# Altium PCB Ascii of Main Board V1.1.PcbDoc (part 1 of 3) (continued)
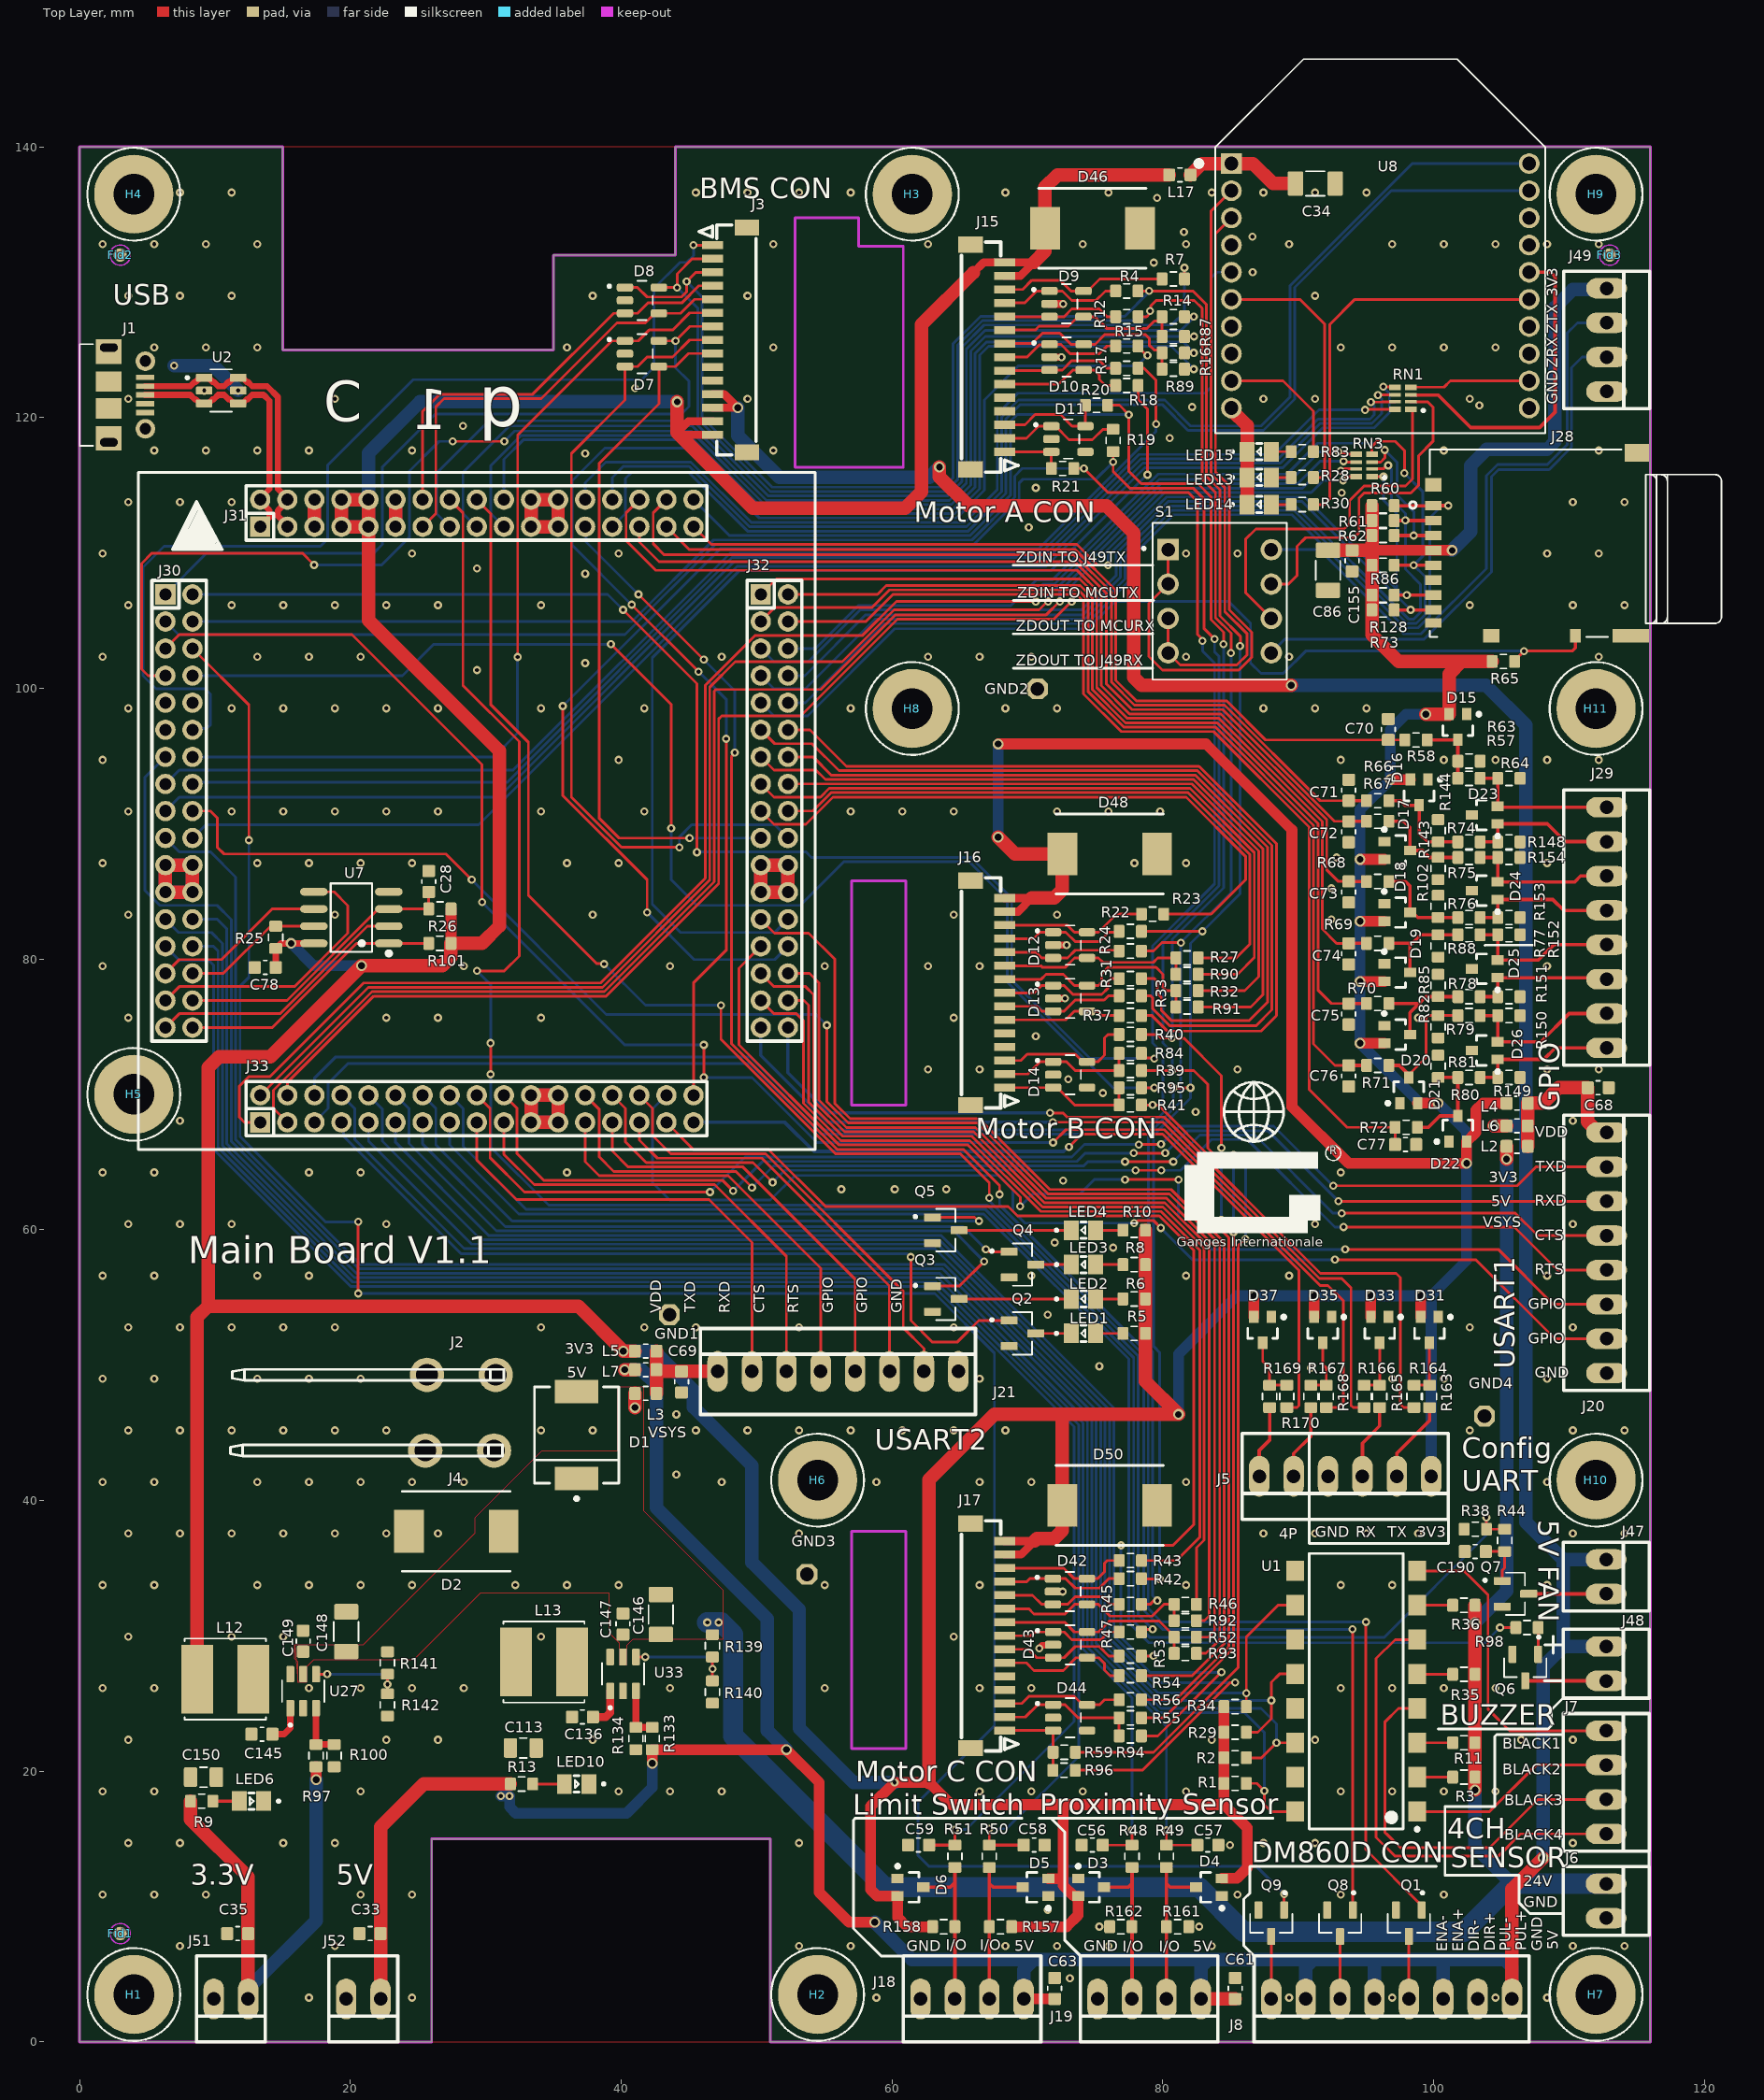
[diagram p0: Top Layer view]
## Components (designator, comment, footprint, x,y, rotation, side; value= is the part's Value field where it differs from the comment)
C28 "100nF" C_0603_1608Metric 25.784,85.725 r270 top
C33 "NC/100nF 50V" C_0603_1608Metric 21.45,8.001 r0 top
C34 "10uF" C_1206_3216Metric 91.264,137.287 r180 top
C35 "NC/100nF 50V" C_0603_1608Metric 11.671,8.001 r0 top
C56 "1nF 50V" C_0603_1608Metric 74.79,14.541 r0 top
C57 "1nF 50V" C_0603_1608Metric 83.325,14.541 r180 top
C58 "1nF 50V" C_0603_1608Metric 70.498,14.541 r180 top
C59 "1nF 50V" C_0603_1608Metric 61.963,14.541 r0 top
C61 "100nF" C_0603_1608Metric 85.344,3.95 r270 top
C63 "100nF" C_0603_1608Metric 72.009,3.95 r270 top
C68 "100nF" C_0603_1608Metric 112.154,70.485 r0 top
C69 "100nF" C_0603_1608Metric 44.455,48.755 r90 top
C70 "NC/100nF 50V" C_0603_1608Metric 96.647,96.957 r90 top
C71 "NC/100nF 50V" C_0603_1608Metric 93.726,92.467 r90 top
C72 "NC/100nF 50V" C_0603_1608Metric 93.726,89.395 r270 top
C73 "NC/100nF 50V" C_0603_1608Metric 93.726,84.95 r270 top
C74 "NC/100nF 50V" C_0603_1608Metric 93.726,80.378 r270 top
C75 "NC/100nF 50V" C_0603_1608Metric 93.726,75.933 r270 top
C76 "NC/100nF 50V" C_0603_1608Metric 93.726,71.361 r270 top
C77 "NC/100nF" C_0603_1608Metric 97.93,66.294 r0 top
C78 "100nF" C_0603_1608Metric 13.706,79.375 r0 top
C86 "10uF" C_1206_3216Metric 92.202,108.711 r90 top
C113 "22uF/6.3V" C_0805_2012Metric 32.766,21.717 r180 top
C136 "100nF" C_0603_1608Metric 37.14,24.003 r180 top
C145 "100nF" C_0603_1608Metric 13.462,22.733 r180 top
C146 "10uF" C_1206_3216Metric 42.926,31.574 r90 top
C147 "100nF" C_0603_1608Metric 40.132,30.874 r90 top
C148 "10uF" C_1206_3216Metric 19.685,30.304 r90 top
C149 "100nF" C_0603_1608Metric 16.51,29.604 r90 top
C150 "22uF/6.3V" C_0805_2012Metric 9.144,19.558 r180 top
C155 "100nF" C_0603_1608Metric 93.98,109.411 r90 top
C190 "NC" C_0603_1608Metric 103.075,36.227 r0 top
D1 "SS34B-HF" FP-95402-MFG 36.703,44.831 r90 top
D2 "SMAJ28A-13-F" DIONM7959X262N 27.813,37.719 r180 top
D3 "BAT54SW_R1_00001" ONSC-SOT-323-3-419-04_V 74.699,11.429 r0 top
D4 "BAT54SW_R1_00001" ONSC-SOT-323-3-419-04_V 83.416,11.429 r180 top
D5 "BAT54SW_R1_00001" ONSC-SOT-323-3-419-04_V 70.589,11.429 r180 top
D6 "BAT54SW_R1_00001" ONSC-SOT-323-3-419-04_V 61.364,11.429 r0 top
D7 "MSQA6V1W5T2G" SOT95P280X145-5N 41.529,124.714 r0 top
D8 "MSQA6V1W5T2G" SOT95P280X145-5N 41.529,128.651 r0 top
D9 "MSQA6V1W5T2G" SOT95P280X145-5N 72.883,128.397 r0 top
D10 "MSQA6V1W5T2G" SOT95P280X145-5N 72.898,124.46 r0 top
D11 "MSQA6V1W5T2G" SOT95P280X145-5N 73.025,118.411 r0 top
D12 "MSQA6V1W5T2G" SOT95P280X145-5N 73.152,81.026 r0 top
D13 "MSQA6V1W5T2G" SOT95P280X145-5N 73.152,77.087 r0 top
D14 "MSQA6V1W5T2G" SOT95P280X145-5N 73.152,71.45 r0 top
D15 "NC/BAT54SWT1G" ONSC-SOT-323-3-419-04_V 101.791,97.132 r270 top
D16 "NC/BAT54SWT1G" ONSC-SOT-323-3-419-04_V 98.933,92.306 r270 top
D17 "NC/BAT54SWT1G" ONSC-SOT-323-3-419-04_V 97.305,88.011 r0 top
D18 "NC/BAT54SWT1G" ONSC-SOT-323-3-419-04_V 97.305,83.439 r0 top
D19 "NC/BAT54SWT1G" ONSC-SOT-323-3-419-04_V 97.305,78.994 r0 top
D20 "NC/BAT54SWT1G" ONSC-SOT-323-3-419-04_V 97.305,74.422 r0 top
D21 "NC/BAT54SWT1G" ONSC-SOT-323-3-419-04_V 98.171,70.297 r90 top
D22 "NC/BAT54SWT1G" ONSC-SOT-323-3-419-04_V 101.791,67.46 r90 top
D23 "NC/BAT54A-7-F" ONSC-SOT-323-3-419-04_V 103.782,90.632 r180 top
D24 "NC/BAT54A-7-F" ONSC-SOT-323-3-419-04_V 103.782,85.044 r180 top
D25 "NC/BAT54A-7-F" ONSC-SOT-323-3-419-04_V 103.782,79.268 r180 top
D26 "NC/BAT54A-7-F" ONSC-SOT-323-3-419-04_V 103.782,73.233 r180 top
D31 "BAT54SW_R1_00001" ONSC-SOT-323-3-419-04_V 99.695,52.598 r270 top
D33 "BAT54SW_R1_00001" ONSC-SOT-323-3-419-04_V 96.012,52.598 r270 top
D35 "NC/BAT54SWT1G" ONSC-SOT-323-3-419-04_V 91.821,52.598 r270 top
D37 "NC/BAT54SWT1G" ONSC-SOT-323-3-419-04_V 87.376,52.598 r270 top
D42 "MSQA6V1W5T2G" SOT95P280X145-5N 73.137,33.27 r0 top
D43 "MSQA6V1W5T2G" SOT95P280X145-5N 73.152,29.333 r0 top
D44 "MSQA6V1W5T2G" SOT95P280X145-5N 73.152,23.95 r0 top
D46 "SMLJ5.0CA" DIONM7959X262N 74.803,133.985 r0 top
D48 "SMLJ5.0CA" DIONM7959X262N 76.073,87.757 r0 top
D50 "SMLJ5.0CA" DIONM7959X262N 76.073,39.624 r0 top
Fid1 "Fiducial mark" Fiducial_1mm_Mask2mm 3,8 r90 top
Fid2 "Fiducial mark" Fiducial_1mm_Mask2mm 3,132 r90 top
Fid3 "Fiducial mark" Fiducial_1mm_Mask2mm 113,132 r90 top
GND1 "Ground Mark" 1X01 43.561,53.721 r0 top
GND2 "Ground Mark" 1X01 70.739,99.949 r0 top
GND3 "Ground Mark" 1X01 53.721,34.544 r0 top
GND4 "Ground Mark" 1X01 103.759,46.228 r0 top
H1 "MountingHole" 3,0-PAD 4,3.5 r0 top
H2 "MountingHole" 3,0-PAD 54.5,3.5 r0 top
H3 "MountingHole" 3,0-PAD 61.5,136.5 r0 top
H4 "MountingHole" 3,0-PAD 4,136.5 r0 top
H5 "MountingHole" 3,0-PAD 4,70 r0 top
H6 "MountingHole" 3,0-PAD 54.5,41.5 r0 top
H7 "MountingHole" 3,0-PAD 112,3.5 r0 top
H8 "MountingHole" 3,0-PAD 61.5,98.5 r0 top
H9 "MountingHole" 3,0-PAD 112,136.5 r0 top
H10 "MountingHole" 3,0-PAD 112,41.5 r0 top
H11 "MountingHole" 3,0-PAD 112,98.5 r0 top
J1 "NC/105017-0001" MOLEX_105017-0001 2.159,121.666 r270 top
J2 "197134001" "Crimp male 90 degree 0.25(6.35mm)" 28.194,49.276 r0 top
J3 "A1001WV-S-15P" "SH1.0 1X15P SMT VERTICAL" 48.015,125.731 r90 top
J4 "197134001" "Crimp male 90 degree 0.25(6.35mm)" 28.067,43.688 r0 top
J5 "22-23-2061" 22-23-2061 93.472,41.783 r180 top
J6 "22-23-2021" 22-23-2021 112.741,10.414 r270 top
J7 "22-23-2041" 22-23-2041 112.741,19.177 r270 top
J8 "22-23-2081" 22-23-2081 96.901,3.175 r180 top
J15 "A1001WV-S-15P" "SH1.0 1X15P SMT VERTICAL" 67.065,124.461 r270 top locked
J16 "A1001WV-S-15P" "SH1.0 1X15P SMT VERTICAL" 67.065,77.5 r270 top
J17 "A1001WV-S-15P" "SH1.0 1X15P SMT VERTICAL" 67.065,30 r270 top
J18 "22-23-2041" 22-23-2041 65.913,3.175 r180 top
J19 "22-23-2041" 22-23-2041 78.994,3.175 r180 top
J20 "22-23-2081" 22-23-2081 112.776,58.293 r270 top
J21 "22-23-2081" 22-23-2081 56.007,49.53 r0 top
J28 "DM3AT-SF-PEJM5" HRS_DM3AT-SF-PEJM5 99.967,113.486 r90 top
J29 "NC/22-23-2081" 22-23-2081 112.776,82.319 r270 top
J30 "NPPN172AFCN-RC" HDR-TH_34P-P2.00-V-M-R2-C17-S2.00 7.337,90.932 r270 top
J31 "NPPN172AFCN-RC" HDR-TH_34P-P2.00-V-M-R2-C17-S2.00 29.337,112.932 r0 top
J32 "NPPN172AFCN-RC" HDR-TH_34P-P2.00-V-M-R2-C17-S2.00 51.308,90.932 r270 top
J33 "NPPN172AFCN-RC" HDR-TH_34P-P2.00-V-M-R2-C17-S2.00 29.337,68.932 r0 top
J47 "NC/22-23-2021" 22-23-2021 112.741,34.369 r270 top
J48 "NC/22-23-2021" 22-23-2021 112.741,27.94 r270 top
J49 "NC/22-23-2041" 22-23-2041 112.776,125.73 r270 top
J51 "NC/22-23-2021" 22-23-2021 11.176,3.175 r180 top
J52 "NC/22-23-2021" 22-23-2021 20.955,3.175 r180 top
L2 "NC/600@100M" L_0603_1608Metric 106.172,66.155 r180 top
L3 "600@100M" L_0603_1608Metric 41.807,47.907 r0 top
L4 "600@100M" L_0603_1608Metric 106.172,69.342 r180 top
L5 "NC/600@100M" L_0603_1608Metric 41.807,51.031 r0 top
L6 "NC/600@100M" L_0603_1608Metric 106.172,67.667 r180 top
L7 "NC/600@100M" L_0603_1608Metric 41.807,49.657 r0 top
L12 "SRN6045TA-150M" IND_SRN6045TA-150M 10.752,26.797 r0 top
L13 "SRN6045TA-150M" IND_SRN6045TA-150M 34.29,28.067 r0 top
L17 "600@100M" L_0603_1608Metric 81.255,137.922 r180 top
LED1 "150080VS75000" LEDC2012X120N 74.148,52.342 r0 top
LED2 "150080VS75000" LEDC2012X120N 74.148,54.882 r0 top
LED3 "150080VS75000" LEDC2012X120N 74.148,57.422 r0 top
LED4 "150080VS75000" LEDC2012X120N 74.148,59.962 r0 top
LED6 "150080SS75000" LEDC2012X120N 12.693,17.785 r180 top
LED10 "150080SS75000" LEDC2012X120N 36.703,19.055 r180 top
LED13 "150080VS75000" LEDC2012X120N 87.122,115.572 r0 top
LED14 "150080VS75000" LEDC2012X120N 87.122,113.573 r0 top
LED15 "150080VS75000" LEDC2012X120N 87.122,117.477 r0 top
Q1 "PDTC114ET,215" SOT95P230X110-3N 98.171,8.763 r270 top
Q2 "PDTC114ET,215" SOT95P230X110-3N 69.632,52.342 r0 top
Q3 "PDTC114ET,215" SOT95P230X110-3N 63.972,54.882 r0 top
Q4 "PDTC114ET,215" SOT95P230X110-3N 69.632,57.422 r0 top
Q5 "PDTC114ET,215" SOT95P230X110-3N 63.972,59.962 r0 top
Q6 "NC/BC847B-7-F" SOT95P230X110-3N 106.771,27.65 r270 top
Q7 "NC/BC847B-7-F" SOT95P230X110-3N 106.045,33.099 r0 top
Q8 "PDTC114ET,215" SOT95P230X110-3N 93.091,8.763 r270 top
Q9 "PDTC114ET,215" SOT95P230X110-3N 88.011,8.763 r270 top
R1 "2K" R_0603_1608Metric#1 85.336,19.098 r180 top
R2 "2K" R_0603_1608Metric#1 85.344,20.987 r180 top
R3 "1.2K" R_0603_1608Metric#2 102.235,19.558 r0 top
R4 "100R" R_0603_1608Metric#1 77.343,129.347 r180 top
R5 "1K" R_0603_1608Metric#1 77.883,52.342 r0 top
R6 "1K" R_0603_1608Metric#1 77.883,54.882 r0 top
R7 "100R" R_0603_1608Metric#1 80.772,130.236 r0 top
R8 "1K" R_0603_1608Metric#1 77.883,57.422 r0 top
R9 "1K" R_0603_1608Metric#1 9.019,17.785 r180 top
R10 "1K" R_0603_1608Metric#1 77.883,59.962 r0 top
R11 "1.2K" R_0603_1608Metric#2 102.235,22.098 r0 top
R12 "100R" R_0603_1608Metric#1 77.343,127.447 r180 top
R13 "1K" R_0603_1608Metric#1 32.641,19.055 r180 top
R14 "200K" R_0603_1608Metric#1 80.772,127.447 r0 top
R15 "100R" R_0603_1608Metric#1 77.343,125.283 r180 top
R16 "200K" R_0603_1608Metric#1 80.772,124.775 r0 top
R17 "100R" R_0603_1608Metric#1 77.343,123.637 r180 top
R18 "100R" R_0603_1608Metric#1 77.343,122.367 r0 top
R19 "0R" R_0603_1608Metric#1 76.327,118.301 r90 top
R20 "NC" R_0603_1608Metric#1 75.105,120.904 r0 top
R21 "0R" R_0603_1608Metric#1 72.595,116.234 r180 top
R22 "100R" R_0603_1608Metric#1 77.597,82.042 r180 top
R23 "100R" R_0603_1608Metric#1 79.248,83.312 r0 top
R24 "100R" R_0603_1608Metric#1 77.597,80.584 r180 top
R25 "10K" R_0603_1608Metric#1 14.481,81.598 r270 top
R26 "10K" R_0603_1608Metric#1 26.609,83.693 r0 top
R27 "200K" R_0603_1608Metric#1 81.788,80.076 r0 top
R28 "1K" R_0603_1608Metric#1 90.297,115.572 r180 top
R29 "2K" R_0603_1608Metric#1 85.344,22.876 r180 top
R30 "1K" R_0603_1608Metric#1 90.297,113.573 r180 top
R31 "100R" R_0603_1608Metric#1 77.597,78.545 r180 top
R32 "200K" R_0603_1608Metric#1 81.788,77.656 r0 top
R33 "100R" R_0603_1608Metric#1 77.597,77.28 r180 top
R34 "2K" R_0603_1608Metric#2 85.344,24.765 r180 top
R35 "1.2K" R_0603_1608Metric#2 102.235,27.158 r0 top
R36 "1.2K" R_0603_1608Metric#2 102.235,32.258 r0 top
R37 "100R" R_0603_1608Metric#1 77.597,75.819 r0 top
R38 "NC/4.7K" R_0603_1608Metric#1 103.075,37.877 r0 top
R39 "NC" R_0603_1608Metric#1 77.597,71.753 r180 top
R40 "NC" R_0603_1608Metric#1 77.597,74.422 r0 top
R41 "NC" R_0603_1608Metric#1 77.597,69.215 r180 top
R42 "100R" R_0603_1608Metric#1 77.597,34.22 r180 top
R43 "100R" R_0603_1608Metric#1 77.596,35.56 r0 top
R44 "NC/4.7K" R_0603_1608Metric#1 105.246,37.052 r90 top
R45 "100R" R_0603_1608Metric#1 77.597,32.32 r180 top
R46 "200K" R_0603_1608Metric#1 81.661,32.32 r0 top
R47 "100R" R_0603_1608Metric#1 77.597,30.283 r180 top
R48 "1K" R_0603_1608Metric#1 77.724,13.716 r270 top
R49 "1K" R_0603_1608Metric#1 80.264,13.716 r270 top
R50 "1K" R_0603_1608Metric#1 67.183,13.716 r270 top
R51 "1K" R_0603_1608Metric#1 64.643,13.716 r270 top
R52 "200K" R_0603_1608Metric#1 81.661,29.902 r0 top
R53 "100R" R_0603_1608Metric#1 77.597,28.51 r180 top
R54 "100R" R_0603_1608Metric#1 77.596,27.051 r0 top
R55 "NC" R_0603_1608Metric#1 77.597,23.933 r180 top
R56 "NC" R_0603_1608Metric#1 77.597,25.273 r0 top
R57 "NC/100R" R_0603_1608Metric#1 102.616,93.345 r0 top
R58 "NC/100R" R_0603_1608Metric#1 98.7,96.182 r0 top
R59 "NC" R_0603_1608Metric#1 72.722,21.398 r180 top
R60 "10K" R_0603_1608Metric#1 96.266,113.486 r0 top
R61 "10K" R_0603_1608Metric#1 96.266,112.386 r0 top
R62 "10K" R_0603_1608Metric#1 96.266,111.286 r0 top
R63 "NC/10K" R_0603_1608Metric#1 102.616,94.615 r0 top
R64 "NC/10K" R_0603_1608Metric#1 105.557,93.345 r0 top
R65 "10K" R_0603_1608Metric#1 105.156,101.981 r0 top
R66 "NC/100R" R_0603_1608Metric#1 95.871,91.692 r0 top
R67 "NC/100R" R_0603_1608Metric#1 95.871,90.17 r0 top
R68 "NC/100R" R_0603_1608Metric#1 95.871,85.725 r0 top
R69 "NC/100R" R_0603_1608Metric#1 95.871,81.153 r0 top
R70 "NC/100R" R_0603_1608Metric#1 95.871,76.708 r0 top
R71 "NC/100R" R_0603_1608Metric#1 95.871,72.136 r0 top
R72 "NC/100R" R_0603_1608Metric#1 97.98,67.564 r0 top
R73 "10K" R_0603_1608Metric#1 96.266,105.786 r0 top
R74 "NC/100R" R_0603_1608Metric#1 102.616,88.646 r0 top
R75 "NC/100R" R_0603_1608Metric#1 102.616,87.503 r0 top
R76 "NC/100R" R_0603_1608Metric#1 102.616,83.058 r0 top
R77 "NC/100R" R_0603_1608Metric#1 102.616,81.788 r0 top
R78 "NC/100R" R_0603_1608Metric#1 102.616,77.216 r0 top
R79 "NC/100R" R_0603_1608Metric#1 102.616,75.819 r0 top
R80 "NC/100R" R_0603_1608Metric#1 102.616,71.247 r0 top
R81 "NC/10K" R_0603_1608Metric#1 100.33,72.072 r90 top
R82 "NC/10K" R_0603_1608Metric#1 100.33,74.994 r270 top
R83 "1K" R_0603_1608Metric#1 90.297,117.477 r180 top
R84 "0R" R_0603_1608Metric#1 77.597,73.025 r180 top
R85 "NC/10K" R_0603_1608Metric#1 100.33,78.041 r90 top
R86 "10K" R_0603_1608Metric#1 96.266,109.086 r0 top
R87 "330K" R_0603_1608Metric#1 80.772,125.984 r0 top
R88 "NC/10K" R_0603_1608Metric#1 100.33,80.963 r270 top
R89 "330K" R_0603_1608Metric#1 80.772,123.571 r0 top
R90 "330K" R_0603_1608Metric#1 81.788,78.867 r0 top
R91 "330K" R_0603_1608Metric#1 81.788,76.454 r0 top
R92 "330K" R_0603_1608Metric#1 81.661,31.115 r0 top
R93 "330K" R_0603_1608Metric#1 81.661,28.702 r0 top
R94 "0R" R_0603_1608Metric#2 77.597,22.606 r180 top
R95 "0R" R_0603_1608Metric#2 77.597,70.485 r180 top
R96 "0R" R_0603_1608Metric#2 72.707,20.066 r180 top
R97 "51K 1%" R_0603_1608Metric#1 17.46,21.146 r270 top
R98 "1K" R_0603_1608Metric#2 106.896,30.607 r0 top
R100 "22.1K 1%" R_0603_1608Metric#1 18.796,21.146 r90 top
R101 "100K" R_0603_1608Metric#1 26.606,81.153 r0 top
R102 "NC/10K" R_0603_1608Metric#1 100.33,83.883 r90 top
R128 "10K" R_0603_1608Metric#1 96.266,106.886 r180 top
R133 "88.7K 1%" R_0603_1608Metric#1 42.291,22.416 r270 top
R134 "22.1K 1%" R_0603_1608Metric#1 41.082,22.416 r90 top
R139 "100K" R_0603_1608Metric#1 46.736,29.258 r90 top
R140 "NC" R_0603_1608Metric#1 46.736,25.845 r90 top
R141 "100K" R_0603_1608Metric#1 22.733,27.988 r90 top
R142 "NC" R_0603_1608Metric#1 22.733,24.892 r90 top
R143 "NC/10K" R_0603_1608Metric#1 100.33,86.678 r270 top
R144 "NC/10K" R_0603_1608Metric#1 100.33,89.471 r90 top
R148 "NC/10K" R_0603_1608Metric#1 105.557,88.646 r0 top
R149 "NC/10K" R_0603_1608Metric#1 105.557,71.247 r0 top
R150 "NC/10K" R_0603_1608Metric#1 105.557,75.819 r0 top
R151 "NC/10K" R_0603_1608Metric#1 105.557,77.216 r0 top
R152 "NC/10K" R_0603_1608Metric#1 105.557,81.788 r0 top
R153 "NC/10K" R_0603_1608Metric#1 105.557,83.058 r0 top
R154 "NC/10K" R_0603_1608Metric#1 105.557,87.503 r0 top
R157 "10K" R_0603_1608Metric#1 68.008,8.509 r0 top
R158 "10K" R_0603_1608Metric#1 63.818,8.509 r0 top
R161 "10K" R_0603_1608Metric#1 81.089,8.509 r0 top
R162 "10K" R_0603_1608Metric#1 76.899,8.509 r0 top
R163 "100R" R_0603_1608Metric#1 99.695,47.688 r90 top
R164 "100R" R_0603_1608Metric#1 98.552,47.688 r90 top
R165 "100R" R_0603_1608Metric#1 96.012,47.688 r90 top
R166 "100R" R_0603_1608Metric#1 94.869,47.688 r90 top
R167 "NC/100R" R_0603_1608Metric#1 90.932,47.688 r90 top
R168 "NC/100R" R_0603_1608Metric#1 92.075,47.688 r90 top
R169 "NC/100R" R_0603_1608Metric#1 87.884,47.688 r90 top
R170 "NC/100R" R_0603_1608Metric#1 89.154,47.688 r90 top
RN1 "YC124-JR-0747RL" RESCAXS50P200X100X55-8N 97.735,121.416 r180 top
RN3 "YC124-JR-0747RL" RESCAXS50P200X100X55-8N 94.869,116.459 r180 top
S1 "KG04ET" SW_DS01-254-S-04BE 84.201,106.426 r270 top
U1 "LTV-847S" "SMD-16 19.84X7.62MM P2.54mm" 94.281,25.908 r180 top
U2 "NC/USBLC6-2SC6" SOT95P280X145-6N 10.455,121.991 r0 top
U7 "SST26VF016BT-80E/SN" SOIC-8 20.069,83.058 r180 top
U8 "XBee3 through-hole module" XB3-24Z8PT-J 96.063,132.664 r0 top locked
U27 "TPS560430XFDBVR" SOT95P280X145-6N 16.51,25.908 r90 top
U33 "TPS560430XFDBVR" SOT95P280X145-6N 40.132,27.178 r90 top

## Footprints (in the part's own frame and the unit in brackets; to place one, negate y for a bottom-side part, rotate by r counter-clockwise, add the part's x,y. Pads: shape width x height; smd on the part's side, far side on the other; paste and mask are expansions set on the pad)
1X01 [mil] "1X01"
  oct 60x60 / inner round 0 / far side oct 60x60 hole 40: 1(0,0)
3,0-PAD [mil] "3,0-PAD"
  round 230 / inner round 0 / far side round 230 hole 118.11: B3,0(0,0)
  silkscreen extent -135,-135 135,135
22-23-2021 [mm]
  oval 1.508x3.016 hole 1: 1(-1.27,0) 2(1.27,0)
  silkscreen extent -2.54,-3.18 2.54,3.18
22-23-2041 [mm]
  oval 1.508x3.016 hole 1: 1(-3.81,0) 2(-1.27,0) 3(1.27,0) 4(3.81,0)
  silkscreen extent -5.08,-3.18 5.08,3.18
22-23-2061 [mm]
  oval 1.508x3.016 hole 1: 1(-6.35,0) 2(-3.81,0) 3(-1.27,0) 4(1.27,0) 5(3.81,0) 6(6.35,0)
  silkscreen extent -7.62,-3.18 7.62,3.18
22-23-2081 [mm]
  oval 1.508x3.016 hole 1: 1(-8.89,0) 2(-6.35,0) 3(-3.81,0) 4(-1.27,0) 5(1.27,0) 6(3.81,0) 7(6.35,0) 8(8.89,0)
  silkscreen extent -10.16,-3.18 10.16,3.18
C_0603_1608Metric [mm]
  rrect25% 0.9x0.95 smd mask+0: 1(-0.775,0) 2(0.775,0)
  silkscreen extent -0.14,-0.51 0.14,0.51
C_0805_2012Metric [mm]
  rrect25% 1x1.45 smd mask+0: 1(-0.95,0) 2(0.95,0)
  silkscreen extent -0.26,-0.73 0.26,0.73
C_1206_3216Metric [mm]
  rrect22% 1.15x1.8 smd mask+0: 1(-1.475,0) 2(1.475,0)
  silkscreen extent -0.71,-0.91 0.71,0.91
"Crimp male 90 degree 0.25(6.35mm)" [mm] "F061.120"
  round 2.54 hole 1.6: 1(-2.54,0) 1(2.54,0)
  silkscreen extent -16.92,-0.41 3.15,0.41
DIONM7959X262N [mm]
  rect 2.2x3.15 smd: 1(-3.5,0) 2(3.5,0)
  silkscreen extent -3.97,-2.95 3.97,2.95
Fiducial_1mm_Mask2mm [mm]
  round 1 smd mask+0: Un1(0,0)
  round 1 smd far side: Un1(0,0)
  Keep-Out Layer circle w0.1: c0,0 r0.75
FP-95402-MFG [mm]
  rect 1.72x3.2 smd paste+0 mask+0: 1(-3.205,0) 2(3.205,0)
  silkscreen extent -4.82,-3.11 3.55,3.11
HDR-TH_34P-P2.00-V-M-R2-C17-S2.00 [mm]
  rect 1.5x1.5 hole 0.9: 1(-16,-1)
  round 1.5 hole 0.9: 2(-16,1) 3(-14,-1) 4(-14,1) 5(-12,-1) 6(-12,1) 7(-10,-1) 8(-10,1) 9(-8,-1) 10(-8,1) 11(-6,-1) 12(-6,1) 13(-4,-1) 14(-4,1) 15(-2,-1) 16(-2,1) 17(0,-1) 18(0,1) 19(2,-1) 20(2,1) 21(4,-1) 22(4,1) 23(6,-1) 24(6,1) 25(8,-1) 26(8,1) 27(10,-1) 28(10,1) 29(12,-1) 30(12,1) 31(14,-1) 32(14,1) 33(16,-1) 34(16,1)
  silkscreen extent -17.04,-2 17,2.02
HRS_DM3AT-SF-PEJM5 [mm]
  rect 0.7x1.2 smd: 1(0,0) 2(-1.1,0) 3(-2.2,0) 4(-3.3,0) 5(-4.4,0) 6(-5.5,0) 7(-6.6,0) 8(-7.7,0) SWB(-8.65,0)
  rect 1x1.2 smd: P1(-9.6,-4.3) P4(1.55,0)
  rect 1x2.8 smd: P2(-9.6,-14.65)
  rect 1.3x1.9 smd: P3(3.9,-15.1)
  rect 1x0.8 smd: SWA(-9.6,-10.5)
  silkscreen extent -9.7,-21.3 4.15,1.75
IND_SRN6045TA-150M [mm]
  rect 2.35x5.1 smd: 1(-2.075,0) 2(2.075,0)
  silkscreen extent -3,-3 3,3
L_0603_1608Metric [mm]
  rrect25% 0.875x0.95 smd mask+0: 1(-0.787,0) 2(0.787,0)
  silkscreen extent -0.16,-0.51 0.16,0.51
LEDC2012X120N [mm]
  rect 1.1x1.45 smd: A(0.9,0) C(-0.9,0)
  silkscreen extent -2.1,-0.6 0.2,0.6
MOLEX_105017-0001 [mm]
  rect 0.4x1.35 smd: 1(-1.3,2.675) 2(-0.65,2.675) 3(0,2.675) 4(0.65,2.675) 5(1.3,2.675)
  round 1.45 hole 0.85: P$1(-2.5,2.7) P$2(2.5,2.7)
  rect 1.5x1.9 smd: P$8(-1,0) P$9(1,0)
  rect 1.8x1.9 smd: P$10(-3.2,0) P$11(3.2,0)
  oval 0.8x1.6 hole 0.6 slot 1.3 at 90 deg: P$12(-3.5,0) P$13(3.5,0)
  silkscreen extent -3.75,-2.15 3.75,-1.15
ONSC-SOT-323-3-419-04_V [mm] "SOT23, 3-Leads, Body 2x1.25mm, Pitch 0.65mm"
  rect 0.9x0.7 smd: 1(-0.95,0.65) 2(-0.95,-0.65) 3(0.95,0)
  silkscreen extent -1.07,-1.1 0.63,1.67
R_0603_1608Metric#1 [mm]
  rrect25% 0.8x0.95 smd mask+0: 1(-0.825,0) 2(0.825,0)
  silkscreen extent -0.24,-0.52 0.24,0.52
R_0603_1608Metric#2 [mm]
  rrect25% 0.8x0.95 smd: 1(-0.825,0) 2(0.825,0)
  silkscreen extent -0.24,-0.52 0.24,0.52
RESCAXS50P200X100X55-8N [mm]
  rect 0.87x0.41 smd: 1(-0.58,0.825) 4(-0.58,-0.825) 5(0.58,-0.825) 8(0.58,0.825)
  rect 0.87x0.26 smd: 2(-0.58,0.25) 3(-0.58,-0.25) 6(0.58,-0.25) 7(0.58,0.25)
  silkscreen extent -1.6,0.8 -1.4,1
"SH1.0 1X15P SMT VERTICAL" [mm]
  rect 0.6x1.55 smd: 1(7,1.263) 2(6,1.263) 3(5,1.263) 4(4,1.263) 5(3,1.263) 6(2,1.263) 7(1,1.263) 8(0,1.263) 9(-1,1.263) 10(-2,1.263) 11(-3,1.263) 12(-4,1.263) 13(-5,1.263) 14(-6,1.263) 15(-7,1.263)
  rect 1.2x1.8 smd: M1(-8.3,-1.262) M2(8.3,-1.262)
  silkscreen extent -8.5,-1.94 8.5,2.26
"SMD-16 19.84X7.62MM P2.54mm" [mm]
  rect 1.3x1.5 smd paste+0 mask+0: 1(-4.5,8.89) 2(-4.5,6.35) 3(-4.5,3.81) 4(-4.5,1.27) 5(-4.5,-1.27) 6(-4.5,-3.81) 7(-4.5,-6.35) 8(-4.5,-8.89) 9(4.5,-8.89) 10(4.5,-6.35) 11(4.5,-3.81) 12(4.5,-1.27) 13(4.5,1.27) 14(4.5,3.81) 15(4.5,6.35) 16(4.5,8.89)
  silkscreen extent -4.63,-10.17 3.47,10.32
SOIC-8 [mm]
  oval 2.036x0.574 smd: 1(-2.768,1.905) 2(-2.768,0.635) 3(-2.768,-0.635) 4(-2.768,-1.905) 5(2.768,-1.905) 6(2.768,-0.635) 7(2.768,0.635) 8(2.768,1.905)
  silkscreen extent -2.92,-2.53 1.52,2.79
SOT95P230X110-3N [mm]
  rrect25% 1.26x0.59 smd: 1(-0.98,0.95) 2(-0.98,-0.95) 3(0.98,0)
  silkscreen extent -2.35,-1.57 0.7,1.57
SOT95P280X145-5N [mm]
  rrect50% 1.21x0.59 smd: 1(-1.255,0.95) 2(-1.255,0) 3(-1.255,-0.95) 4(1.255,-0.95) 5(1.255,0.95)
  silkscreen extent -2.51,-1.45 0.8,1.45
SOT95P280X145-6N [mm]
  rrect25% 1.21x0.58 smd: 1(-1.255,0.95) 2(-1.255,0) 3(-1.255,-0.95) 4(1.255,-0.95) 5(1.255,0) 6(1.255,0.95)
  silkscreen extent -2.6,-1.56 0.8,1.56
SW_DS01-254-S-04BE [mm]
  rect 1.58x1.58 hole 1: 1A(-3.81,-3.81)
  round 1.58 hole 1: 1B(-3.81,3.81) 2A(-1.27,-3.81) 2B(-1.27,3.81) 3A(1.27,-3.81) 3B(1.27,3.81) 4A(3.81,-3.81) 4B(3.81,3.81)
  silkscreen extent -5.79,-5.7 5.79,4.95
XB3-24Z8PT-J [mm]
  rect 1.53x1.53 hole 1.02: 1(-10.998,6.096)
  round 1.53 hole 1.02: 2(-10.998,4.089) 3(-10.998,2.083) 4(-10.998,0.076) 5(-10.998,-1.93) 6(-10.998,-3.937) 7(-10.998,-5.944) 8(-10.998,-7.95) 9(-10.998,-9.957) 10(-10.998,-11.963) 11(10.998,-11.963) 12(10.998,-9.957) 13(10.998,-7.95) 14(10.998,-5.944) 15(10.998,-3.937) 16(10.998,-1.93) 17(10.998,0.076) 18(10.998,2.083) 19(10.998,4.089) 20(10.998,6.096)
  silkscreen extent -13.6,-13.82 12.19,13.82

## Part data
C28 C61 C63 C68 C69 C78 C136 C145 C147 C149 C155: library part "Cap Semi", "CAP CER 0.1UF 50V X7R 0603"
C33 C35: library part "Cap Semi", "08055C103KAT2A"
C34 C86 C146 C148: library part "Cap Semi", "CAP CER 10UF 50V X5R 1206"
C56 C57 C58 C59: library part "Cap Semi", "CAP CER 1000PF 50V X7R 0603"
C70 C71 C72 C73 C74 C75 C76 C77: library part "Cap Semi", "0805J0500104KXT"
C113 C150: library part "Cap Semi", "CAP CER 22UF 16V X5R 0805"
C190: library part "Cap Semi", "DUMMY"
D1: library part 1d6ec82d83fb6aee721767c19dac4b9, "DIODE SCHOTTKY 40V 3A DO214AB"
D2 D46 D48 D50: library part SMLJ43CA, "TVS Diode (Bi-directional)"
D3 D4 D5 D6 D15 D16 D17 D18 D19 D20 D21 D22 D31 D33: library part BAT54S, "Diode Array 1 Pair Series Connection Schottky 30V 200mA Surface Mount TO-236-3, SC-59, SOT-23-3"
D7 D8 D9 D10 D11 D12 D13 D14 D42 D43 D44: library part PESD3V3L4UW, "Low capacitance unidirectional quadruple ESD protection diode arrays"
D23 D24 D25 D26: library part BAT54A-7-F, "Diode Array 1 Pair Common Anode Schottky 30V 200mA (DC) Surface Mount TO-236-3, SC-59, SOT-23-3"
D35 D37: library part BAT54STA, "Diode Array 1 Pair Series Connection Schottky 30V 200mA _DC_ Surface Mount TO-236-3, SC-59, SOT-23-3"
Fid1 Fid2 Fid3: library part Fiducial, "Fiducial Mark"
J1: library part 105017-0001
J2 J4: library part PIN3F061.120, "Flachstecker Typ tyco/Electronics/AMP   Printed Circuit Board Tabs Source: http://www.buerklin.com"
J3 J15 J16 J17: library part "1x15P SMT Connector"
J5: "Connector Header Through Hole 6 position 0.100 (2.54mm)"
J6: "Connector Header Through Hole 2 position 0.100 (2.54mm)"
J7 J18 J19: "Connector Header Through Hole 4 position 0.100 (2.54mm)"
J8 J20 J21 J29: library part "Header 8", "Header, 8-Pin"
J28: "CONN MICRO SD CARD PUSH-PUSH R/A"
J30 J31 J32 J33: library part "Header 17X2", "Header, 17-Pin, Dual row"
J47 J48 J51 J52: library part 22-23-2021, "Connector Header Through Hole 2 position 0.100 (2.54mm)"
J49: library part 22-23-2041, "Connector Header Through Hole 4 position 0.100 (2.54mm)"
L2: library part FB-M1331, "CIM10J601NC"
L3 L4 L5 L6 L7 L17: library part FB-M1331, "BBPY00160808601Y00"
L12 L13: "FIXED IND 47UH 1.6A 200 MOHM SMD"
LED1 LED2 LED3 LED4 LED13 LED14 LED15: library part SML-LXT0805IW-TR, "LED GREEN CLEAR 0805 SMD"
LED6 LED10: library part SML-LXT0805IW-TR, "LED RED CLEAR 0805 SMD"
Q1 Q2 Q3 Q4 Q5 Q8 Q9: "TRANS PREBIAS NPN 250MW TO236AB"
Q6 Q7: library part BC847B-7-F
R1 R2 R29 R34: library part Res2, "RES SMD 2K OHM 5% 1/10W 0603"
R3 R11 R35 R36: library part Res2, "RES 1.2K OHM 5% 1/10W 0603"
R4 R7 R12 R14 R15 R16 R17 R18 R20 R22 R23 R24 R27 R31 R32 R33 R37 R39 R40 R41 R42 R43 R45 R46 R47 R52 R53 R54 R55 R56 R57 R58 R59 R66 R67 R68 R69 R70 R71 R72 R74 R75 R76 R77 R78 R79 R80 R163 R164 R165 R166: library part RES, "RES 100 OHM 5% 1/10W 0603"
R5 R6 R8 R9 R10 R13 R28 R30 R48 R49 R50 R51 R83 R98: library part Res2, "RES 1K OHM 5% 1/10W 0603"
R19 R21 R84 R94 R95 R96: library part RES, "RES 0 OHM JUMPER 1/10W 0603"
R25 R26 R60 R61 R62 R65 R73 R86 R128 R157 R158 R161 R162: library part Res2, "RES 10K OHM 5% 1/10W 0603"
R38 R44: library part Res2, "CRCW08054K70FKEA"
R63 R64 R81 R82 R85 R88 R102 R143 R144 R148 R149 R150 R151 R152 R153 R154: library part RES, "RC0805FR-071KL"
R87 R89 R90 R91 R92 R93: library part RES, "RES 330K OHM 5% 1/10W 0603"
R97: library part Res2, "RES 51K OHM 1% 1/10W 0603"
R100 R134: library part Res2, "RES 22.1K OHM 1% 1/10W 0603"
R101 R139 R141: library part Res2, "RES SMD 100K OHM 5% 1/10W 0603"
R133: library part Res2, "RES 88.7K OHM 1% 1/10W 0603"
R140 R142: library part Res2, "CRCW0805100KFKEAC"
R167 R168 R169 R170: library part Res2, "RES 100 OHM 5% 1/10W 0603"
RN1 RN3: library part TC164-JR-0747RL, "RES ARRAY 4 RES 47 OHM 0804"
S1: library part "4 Position Dip Switch", "STANDARD DIP SWITCH, 4 POSITIONS"
U1: "OPTOISOLTR 5KV 4CH TRANS 16-SMD"
U2: library part USBLC6-2SC6
U7: library part MX25L6406EM2I-12G, "IC FLASH 16MBIT SPI/QUAD 8SOIC"
U8: library part XB3-24Z8PT-J, "RECEPTACLE STRIP 10P 2.0MM PITCH"
U27 U33: "IC REG BUCK PWM 600MA SOT23-6"

## Via types
v1: diameter 0.6, hole 0.3, Top Layer to Bottom Layer, tented both sides, 537 vias
v2: diameter 0.8, hole 0.5, Top Layer to Bottom Layer, tented both sides, 34 vias

## Nets (pads, with @x,y where several pads share a name; then routed paths per layer and width w, separated by ;. In a path a pad name is that pad's centre, name@x,y a point inside that pad or via, vN(x,y) a via of type N, cw(c..) or ccw(c..) an arc to the next point about the centre after c; other vN are vias at no path point)
A_DECAY/NPCS0: D10.5 J15.9 R16.1 R89.1 | length 14.6
  Top Layer w0.2: J15.9@68.328,125.461 70.343,125.461 71.12,126.238 72.39,126.238 73.218,125.41 D10.5@74.153,125.41 74.991,125.41 75.695,126.114 78.737,126.114 78.994,125.857 78.994,125.349 79.364,124.979 79.743,124.979 R16.1@79.947,124.775 R89.1@79.947,123.571
A_EN/IN1: D10.3 J15.7 R17.2 | length 8.7
  Top Layer w0.2: J15.7@68.328,123.461 71.594,123.461 D10.3@71.643,123.51 72.583,123.51 73.279,124.206 75.311,124.206 75.88,123.637 R17.2@76.518,123.637
A_MISO: D11.1 J15.2 R19.2 | length 9.1
  Top Layer w0.2: J15.2@68.328,118.461 69.919,118.461 70.819,119.361 D11.1@71.77,119.361 72.08,119.361 73.077,118.364 74.803,118.364 75.565,119.126 R19.2@76.327,119.126
A_MOSI: D11.3 J15.1 R21.2 | length 4.7
  Top Layer w0.2: J15.1@68.328,117.461 D11.3@71.77,117.461 R21.2@71.77,116.234
A_nFAULT: D9.5 J15.13 R7.1 | length 12.6
  Top Layer w0.2: J15.13@68.328,129.461 69.644,129.461 70.328,130.145 72.42,130.145 73.218,129.347 D9.5@74.138,129.347 74.448,129.347 75.337,130.236 R7.1@79.947,130.236
A_nSLEEP: D10.4 J15.6 R18.1 | length 9.3
  Top Layer w0.2: J15.6@68.328,122.461 72.312,122.461 73.36,123.51 D10.4@74.153,123.51 74.16,123.503 74.941,123.503 75.311,123.133 75.311,122.809 75.753,122.367 R18.1@76.518,122.367
A_PH/IN2: D10.1 J15.8 R15.2 | length 9.1
  Top Layer w0.2: J15.8@68.328,124.461 69.978,124.461 70.875,125.358 71.591,125.358 D10.1@71.643,125.41 71.659,125.394 72.472,125.394 73.152,124.714 75.311,124.714 75.88,125.283 R15.2@76.518,125.283
A_SCL: D9.1 J15.12 R4.2 | length 9.1
  Top Layer w0.2: J15.12@68.328,128.461 69.787,128.461 70.673,129.347 D9.1@71.628,129.347 72.583,129.347 73.279,128.651 75.057,128.651 75.753,129.347 R4.2@76.518,129.347
A_SDA: D9.3 J15.11 R12.2 | length 8.7
  Top Layer w0.2: J15.11@68.328,127.461 68.342,127.447 72.71,127.447 73.279,128.016 75.311,128.016 75.88,127.447 R12.2@76.518,127.447
A_SPCK: D11.5 J15.3 R20.1 | length 8.2
  Top Layer w0.2: J15.3@68.328,119.461 69.818,119.461 70.571,120.214 72.445,120.214 73.298,119.361 D11.5@74.28,119.361 R20.1@74.28,120.904
A_TOFF: D9.4 J15.10 R14.1 R87.1 | length 14.2
  Top Layer w0.2: J15.10@68.328,126.461 70.581,126.461 70.866,126.746 73.028,126.746 73.729,127.447 D9.4@74.138,127.447 74.991,127.447 75.85,126.588 78.836,126.588 79.375,127.127 79.647,127.127 R14.1@79.947,127.427 ; R87.1@79.947,125.984 R14.1@79.947,127.427 ; R14.1@79.947,127.447 R14.1@79.947,127.427
B_DECAY/NPCS2: D13.5 J16.9 R32.1 R91.1 | length 16.5
  Top Layer w0.2: J16.9@68.328,78.5 71.009,78.5 71.374,78.865 72.644,78.865 73.472,78.037 D13.5@74.407,78.037 75.245,78.037 75.473,78.265 75.473,78.902 75.947,79.376 79.501,79.376 80.01,78.867 80.01,77.922 80.276,77.656 R32.1@80.963,77.656 R91.1@80.963,76.454
B_EN/IN1: D13.3 J16.7 R33.2 | length 9.1
  Top Layer w0.2: J16.7@68.328,76.5 70.693,76.5 71.056,76.137 D13.3@71.897,76.137 72.708,76.137 73.533,76.962 75.669,76.962 75.987,77.28 R33.2@76.772,77.28
B_MISO: D14.1 J16.2 R39.2 R84.2 | length 10.4
  Top Layer w0.2: J16.2@68.328,71.5 70.038,71.5 70.938,72.4 72.888,72.4 73.535,71.753 R39.2@76.772,71.753 R84.2@76.772,73.025
B_MOSI: D14.3 J16.1 R41.2 R95.2 | length 10.2
  Top Layer w0.2: J16.1@68.328,70.5 D14.3@71.897,70.5 72.207,70.5 73.492,69.215 R41.2@76.772,69.215 R95.2@76.772,70.485
B_nFAULT: D12.5 J16.13 R23.1 | length 10.9
  Top Layer w0.2: J16.13@68.328,82.5 72.946,82.5 73.472,81.974 D12.5@74.407,81.974 ; D12.5@74.407,81.976 75.245,81.976 76.581,83.312 R23.1@78.423,83.312
B_nSLEEP: D13.4 J16.6 R37.1 | length 8.8
  Top Layer w0.2: J16.6@68.328,75.5 72.833,75.5 73.47,76.137 D13.4@74.407,76.137 75.194,76.137 75.512,75.819 R37.1@76.772,75.819
B_PH/IN2: D13.1 J16.8 R31.2 | length 9.6
  Top Layer w0.2: J16.8@68.48,77.5 70.507,77.5 71.044,78.037 D13.1@71.897,78.037 72.712,78.037 73.362,77.387 75.482,77.387 75.946,77.851 75.946,78.359 76.132,78.545 R31.2@76.772,78.545